# Altium PCB NFC-Reader.PcbDoc (part 1 of 3)
Units mil, origin at the board's own origin, x right, y up, seen from the top; angles counter-clockwise.
Board outline 3750 x 2300 mil, 4 copper layers (L1, L2 (GND), L3(PWR), L4), stack 61.583 mil thick; 132 components, 82 nets, 420 pads, 665 vias.
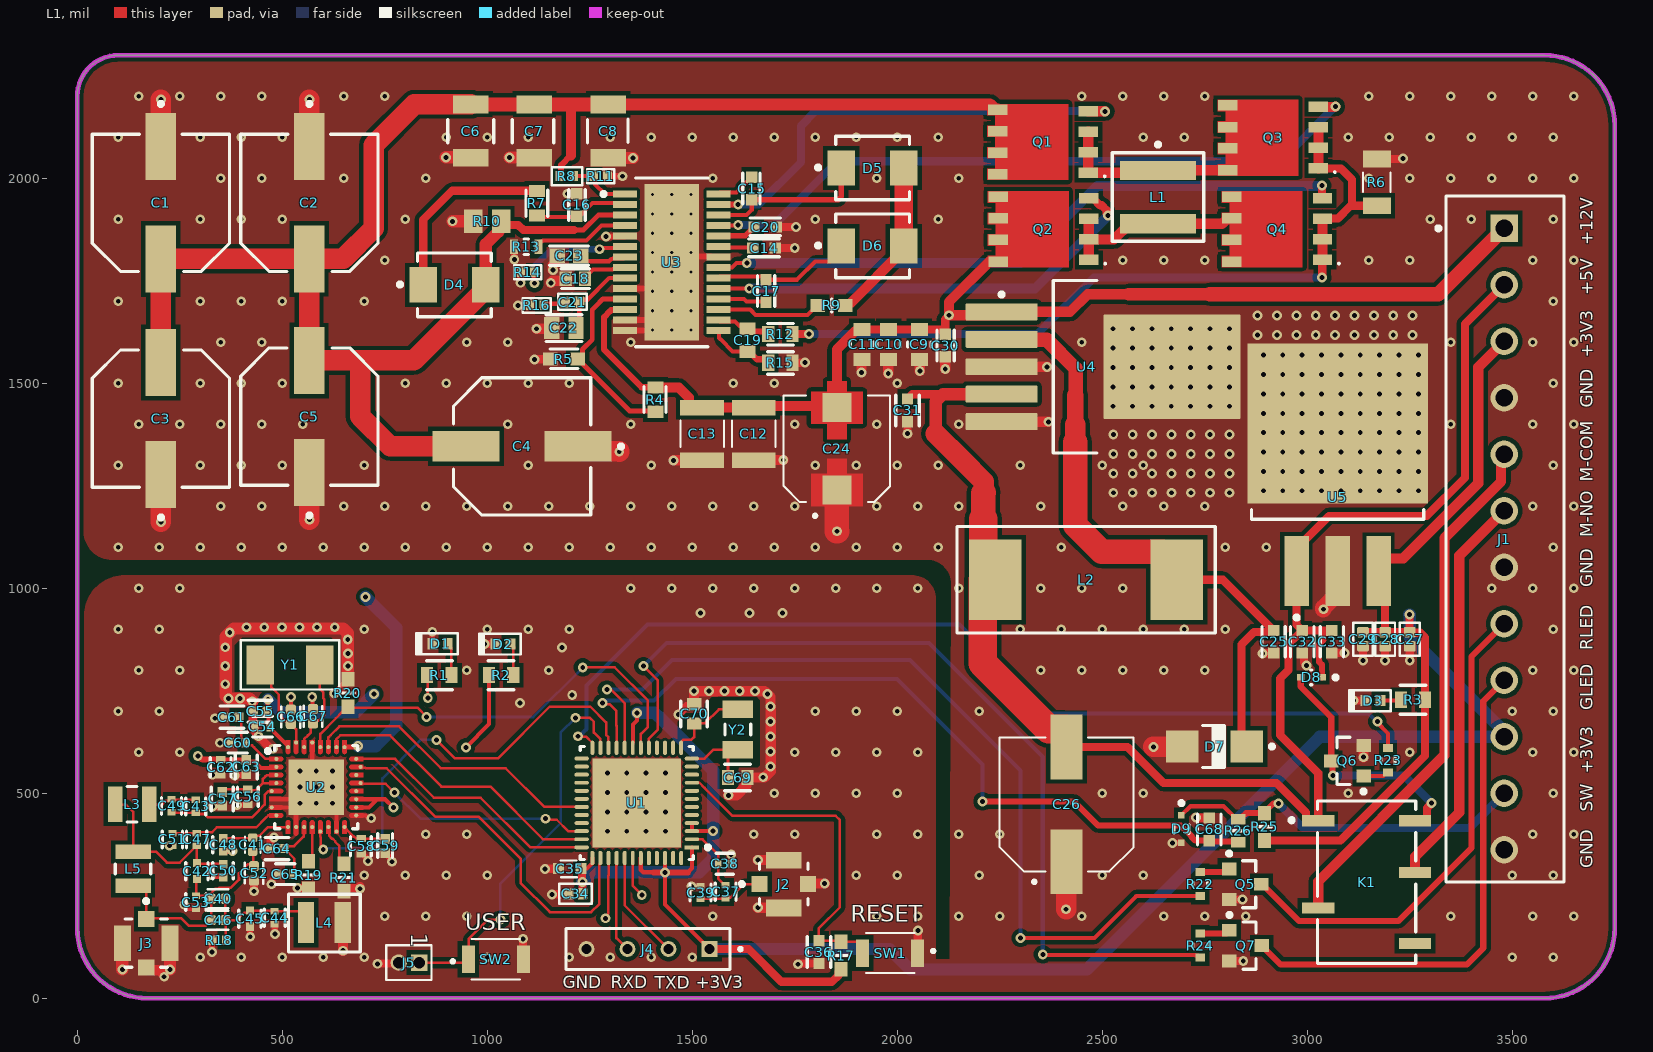
[diagram p0: L1 view]
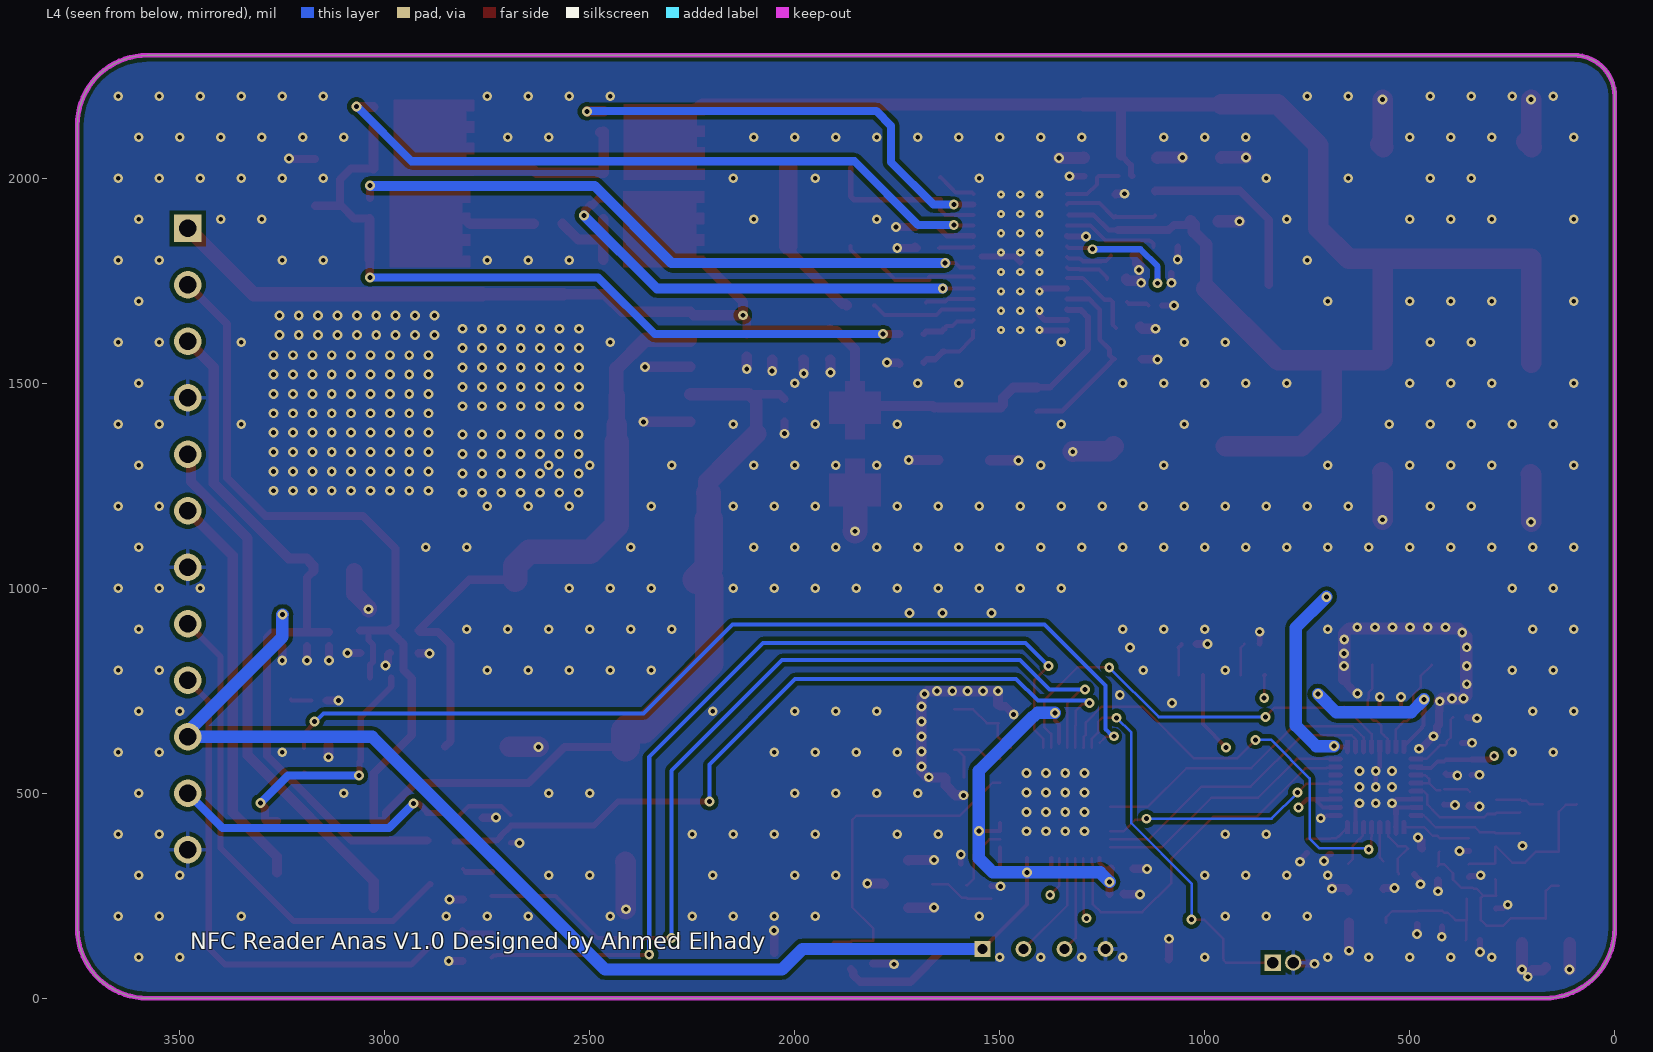
[diagram p1: L4 view, seen from below]
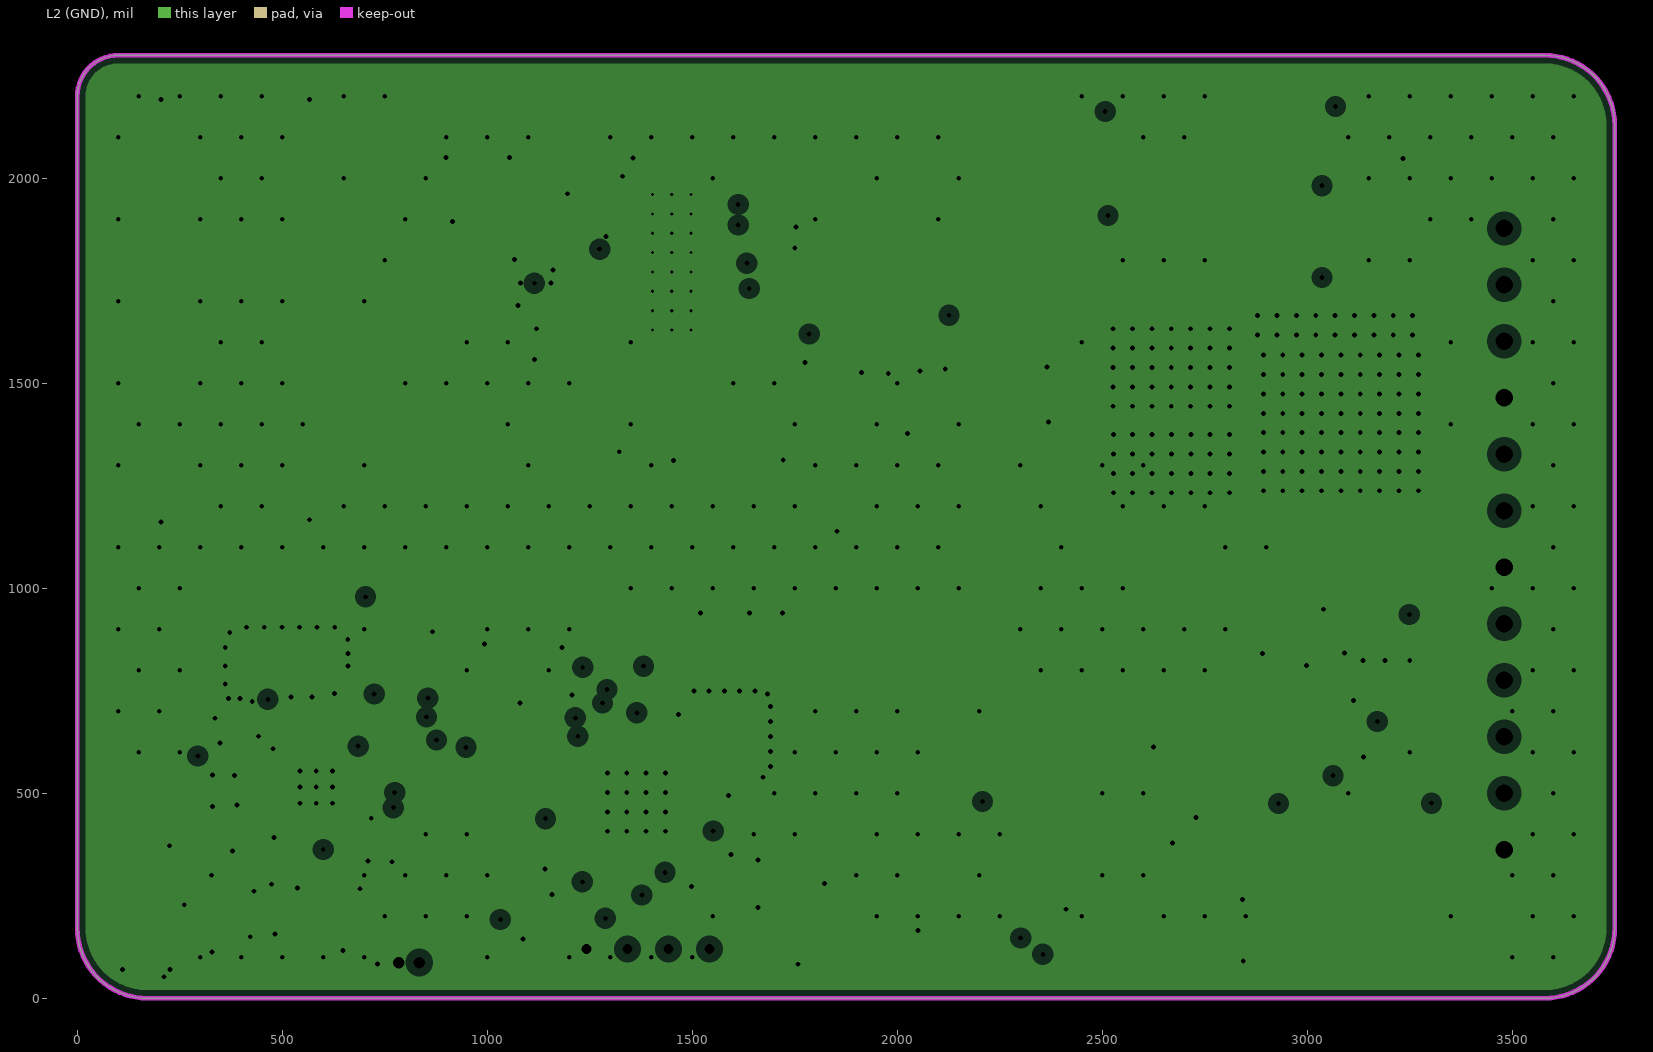
[diagram p2: L2 (GND), clearances drawn from the general rule]
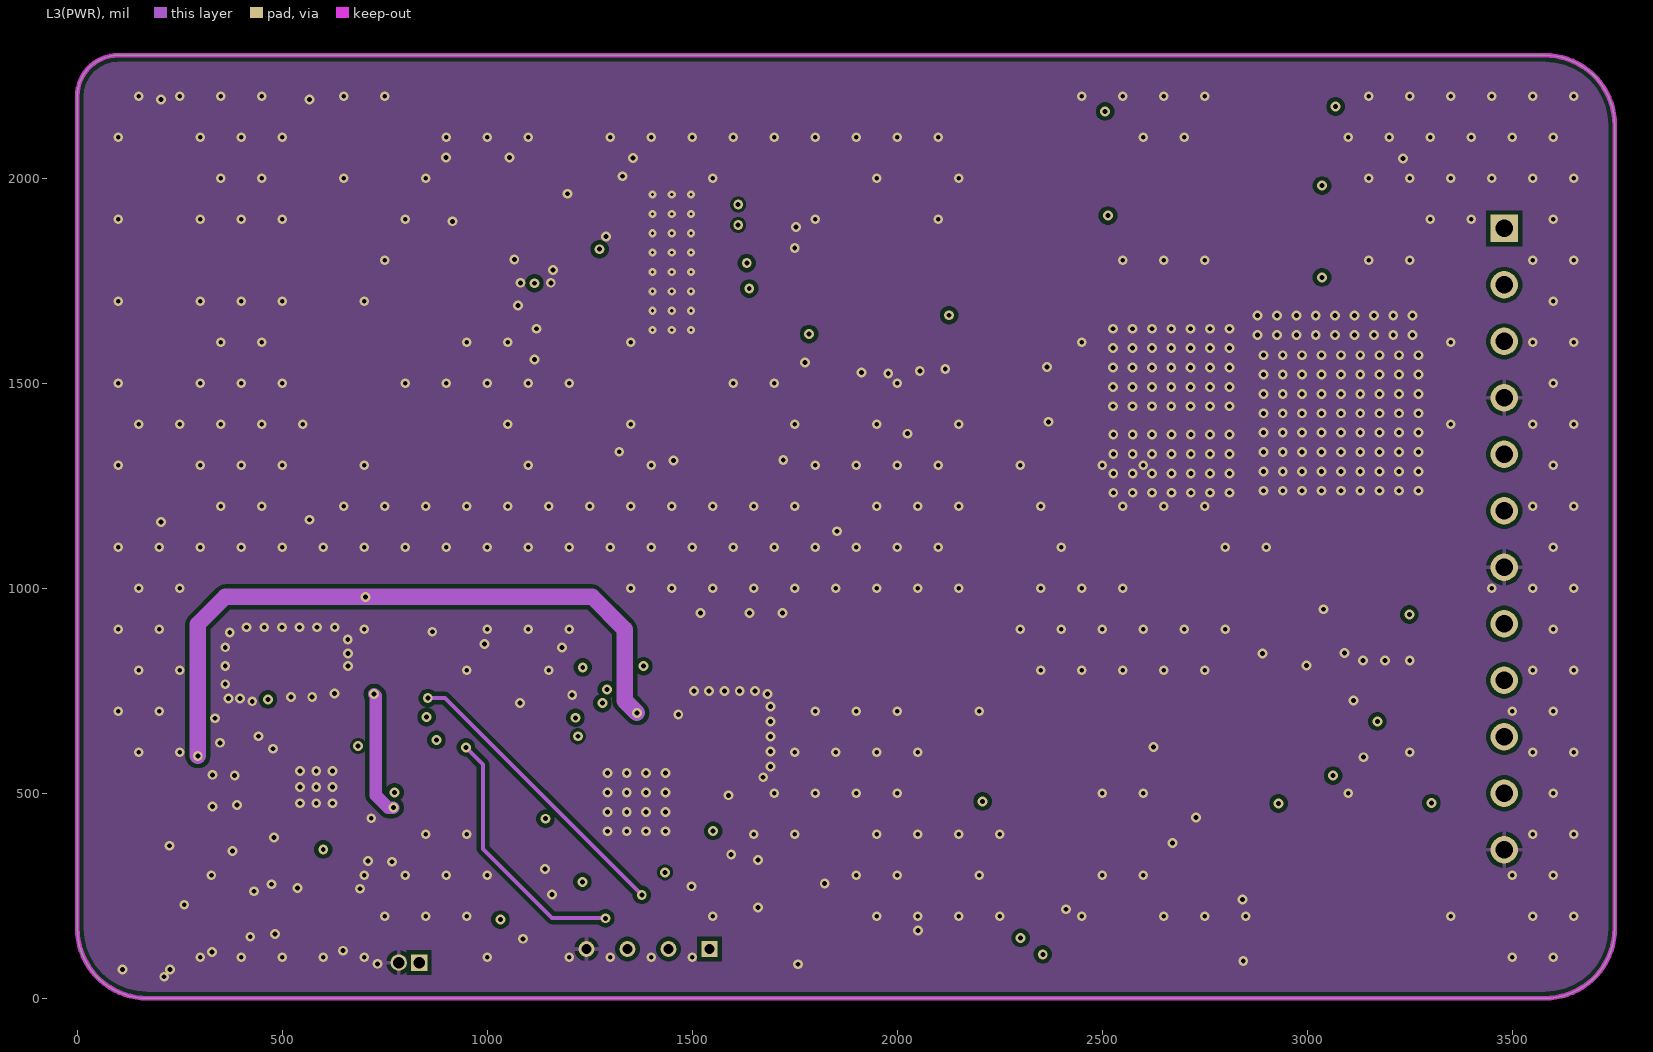
[diagram p3: L3(PWR)]
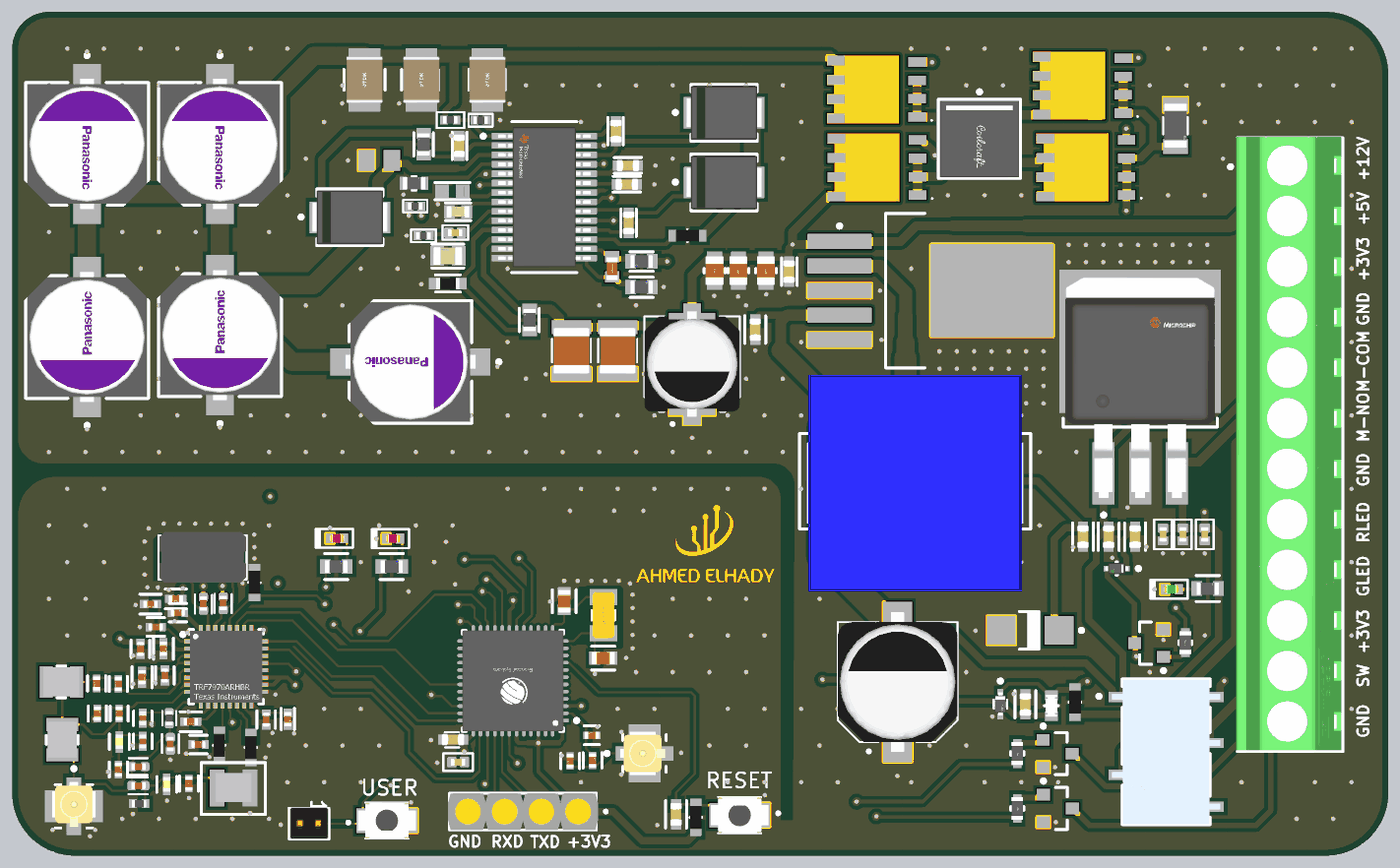
[diagram p6: 3D render of the assembled board from above, using the file's embedded part models]

## Layer stack, top to bottom
Top Solder: solder mask 1, SM-001, Dk 4
L1: signal copper 1.378
Dielectric 1: prepreg 3.9134, PP-017, Dk 4.4
L2 (GND): plane copper 0.5984, net GND
Dielectric 3: core 49.8031, Core-039, Dk 4.6
L3(PWR): signal copper 0.5984
Dielectric 5: prepreg 3.9134, PP-017, Dk 4.4
L4: signal copper 1.378
Bottom Solder: solder mask 1, SM-001, Dk 4

## Board outline
0,170.71 0,2200 cw(c100,2200) 100,2300 3579.29,2300 cw(c3579.29,2129.29) 3750,2129.29 3750,170.71 cw(c3579.29,170.71) 3579.29,0 170.71,0 cw(c170.71,170.71)

## Design rules (kind name [scope] priority, off if disabled: settings)
Clearance Smaller [WithinRoom('NFC')OR WithinRoom('BUCK-BOOST')or WithinRoom('ESP32')] p1: gap=7 ignorepadtopadclearanceinfootprint=TRUE
Clearance [All] p2: gap=10 ignorepadtopadclearanceinfootprint=TRUE
ComponentClearance [All] p1: gap=0 collisioncheckmode=3 verticalgap=0 showdistances=FALSE
MinimumSolderMaskSliver [All] p1: minsoldermaskwidth=5
PlaneClearance [All] p1: clearance=20
PlaneConnect [All] p1: planeconnectstyle=Direct reliefexpansion=20 reliefentries=4 reliefconductorwidth=10 reliefairgap=10
PolygonConnect Thermal_PAD_Direct [IsNamedPolygon('NONET_L02_P-001')] p1: connectstyle=Direct reliefconductorwidth=10 reliefentries=4 polygonreliefangle="90 Angle" airgapwidth=10
PolygonConnect [All] p2: thpad.connectstyle=Relief thpad.reliefconductorwidth=10 thpad.reliefentries=4 thpad.polygonreliefangle="90 Angle" thpad.airgapwidth=10 smdpad.connectstyle=Relief smdpad.reliefconductorwidth=10 smdpad.reliefentries=4 smdpad.polygonreliefangle="90 Angle" smdpad.airgapwidth=10 via.connectstyle=Direct via.reliefconductorwidth=10 via.reliefentries=4 via.polygonreliefangle="90 Angle" via.airgapwidth=10
RoomDefinition NFC [False] p1: confinementstyle=ConfineIn formatcopy=TRUE lockcomponents=FALSE outline 714,390 444.31,390 444.31,642 714,642
RoomDefinition ESP32 [False vs False] p2: confinementstyle=ConfineIn formatcopy=TRUE lockcomponents=FALSE outline 1530,665 1195,665 1195,293 1530,293
RoomDefinition BUCK-BOOST [False vs False] p3: confinementstyle=ConfineIn formatcopy=TRUE lockcomponents=FALSE outline 1620.55,1987.38 1299.24,1987.38 1299.24,1606.38 1620.55,1606.38
RoutingVias [All] p1: holewidth=12 width=24 viastyle="Through Hole" minholewidth=7.87 minwidth=19.68 maxholewidth=12 maxwidth=24
SilkToSilkClearance [All] p1: silktosilkclearance=5
SilkToSolderMaskClearance [IsPad] p1: minsilkscreentomaskgap=0 clearancetoexposedcopper=TRUE
SolderMaskExpansion [All] p1: expansion=4 istentingtop=FALSE
SupplyNets "Schematic Supply Nets_5" [InNet('VCC')] p1: voltage=0.000
SupplyNets "Schematic Supply Nets_4" [InNet('+5')] p2: voltage=0.000
SupplyNets "Schematic Supply Nets_3" [InNet('VDD')] p3: voltage=0.000
SupplyNets "Schematic Supply Nets_2" [InNet('+12')] p4: voltage=0.000
SupplyNets "Schematic Supply Nets_1" [InNet('VIN')] p5: voltage=0.000
SupplyNets "Schematic Supply Nets" [InNet('GND')] p6: voltage=0.000
UnRoutedNet [All] p1: checkbadconnections=TRUE
Width [All] p1: maxlimit=100 minlimit=6.16 preferedwidth=13.7
23 further rules are at their usual default settings.

## Classes and differential pairs
component class "Relay-Switch Schematic": C68 D8 D9 J1 K1 Q5 Q6 Q7 R22 R23 R24 R25 R26
component class "Power Supply Schematic": C1 C2 C3 C4 C5 C6 C7 C8 C9 C10 C11 C12 C13 C14 C15 C16 C17 C18 C19 C20 C21 C22 C23 C24 C25 C26 C27 C28 C29 C30 C31 C32 C33 D3 D4 D5 D6 D7 L1 L2 Q1 Q2 Q3 Q4 R3 R4 R5 R6 R7 R8 R9 R10 R11 R12 R13 R14 R15 R16 U3 U5
component class "NFC Schematic": C40 C41 C42 C43 C44 C45 C46 C47 C48 C49 C50 C51 C52 C53 C54 C55 C56 C57 C58 C59 C60 C61 C62 C63 C64 C65 C66 C67 J3 L3 L4 L5 R18 R19 R20 R21 U2 Y1
component class "Main ESP32 Schematic": C34 C35 C36 C37 C38 C39 C69 C70 D1 D2 J2 J4 J5 R1 R2 R17 SW1 SW2 U1 Y2

## Components (designator, comment, footprint, x,y, rotation, side; value= is the part's Value field where it differs from the comment)
C1 "15uF,100V" FP-SMT-CAP-15U-100V-ELECTROLTIC 203.96,1940.09 r270 top value=15µF
C2 "15uF,100V" FP-SMT-CAP-15U-100V-ELECTROLTIC 566.17,1940.09 r270 top value=15µF
C3 "15uF,100V" FP-SMT-CAP-15U-100V-ELECTROLTIC 203.96,1413.81 r90 top value=15µF
C4 "15uF,100V" FP-SMT-CAP-15U-100V-ELECTROLTIC 1085,1346 r180 top value=15µF
C5 "15uF,100V" FP-SMT-CAP-15U-100V-ELECTROLTIC 566.17,1418.81 r90 top value=15µF
C6 "10uF,100V" CAP-1210-10U-100V 960,2115 r90 top value=10µF
C7 "10uF,100V" CAP-1210-10U-100V 1115,2115 r90 top value=10µF
C8 "10uF,100V" CAP-1210-10U-100V 1295,2115 r90 top value=10µF
C9 "22u,35V" TDK_0805-22uF-35V 2054,1594.58 r90 top value=22µF
C10 "22u,35V" TDK_0805-22uF-35V 1979.05,1594.58 r90 top value=22µF
C11 "22u,35V" TDK_0805-22uF-35V 1914.08,1594.58 r90 top value=22µF
C12 "47u,16V" cap1210-47u-16v 1649.98,1376.6 r90 top value=47µF
C13 "47u,16V" cap1210-47u-16v 1523.99,1376.6 r90 top value=47µF
C14 "1u,16V" "0603 (1608 Metric)-CAP-100NF-50V" 1675,1829.81 r180 top value=1µF
C15 "100nF 50V" "0603 (1608 Metric)-CAP-100NF-50V" 1645,1975 r270 top value=100nF
C16 "100nF 50V" "0603 (1608 Metric)-CAP-100NF-50V" 1218,1935 r270 top value=100nF
C17 "100nF 50V" "0603 (1608 Metric)-CAP-100NF-50V" 1680,1725 r90 top value=100nF
C18 "15nF" 0603-Cap-15nf-25v 1215,1755 r0 top locked
C19 "47pF,50V" CAP-0603-47PF-50V 1635,1605 r270 top value=47pF
C20 "100nF 50V" "0603 (1608 Metric)-CAP-100NF-50V" 1678,1881 r180 top value=100nF
C21 "10nF,50V" CAPC1005X90N 1207,1698 r0 top value=10nF
C22 "180pF,50V" C0805C-180pF-50V 1187,1634.87 r0 top value=180pF
C23 "120pF,50V" FP-0603-120PF-50V 1199.62,1810.94 r0 top value=120pF
C24 "100u,16V" CAP_EEEFP1C101AV 1852.75,1340 r90 top value=100µF
C25 "100nF 50V" "0603 (1608 Metric)-CAP-100NF-50V" 2918,869.4 r90 top value=100nF
C26 "1000uF,6.3V" CAP_1000uF-SMT 2413,473 r90 top value=1mF
C27 "4.7uF,16V" CAPC1005X90N 3250,875.61 r90 top value=4.7µF
C28 "4.7uF,16V" CAPC1005X90N 3190,875.61 r90 top value=4.7µF
C29 "4.7uF,16V" CAPC1005X90N 3135.99,875.61 r90 top value=4.7µF
C30 "100nF 50V" "0603 (1608 Metric)-CAP-100NF-50V" 2117,1592 r90 top value=100nF
C31 "100nF 50V" "0603 (1608 Metric)-CAP-100NF-50V" 2025,1434 r90 top value=100nF
C32 "1u,16V" "0603 (1608 Metric)-CAP-100NF-50V" 2988,869.4 r270 top value=1µF
C33 "100nF,50V" "0603 (1608 Metric)-CAP-100NF-50V" 3060,869.4 r90 top value=100nF
C34 "10uF, 10V" CAPC1005X90N 1215.04,254.84 r0 top value=10µF
C35 "100nF 50V" "0603 (1608 Metric)-CAP-100NF-50V" 1201.33,316.33 r0 top value=100nF
C36 "1u,16V" "0603 (1608 Metric)-CAP-100NF-50V" 1809,112.44 r270 top value=1µF
C37 "270pF,50V" 0402_470pF_50VMurata_GCM155-0_05_MFG 1581.44,259.61 r90 top value=270pF
C38 "270pF,50V" 0402_470pF_50VMurata_GCM155-0_05_MFG 1579.47,327.86 r180 top value=270pF
C39 "270pF,50V" 0402_470pF_50VMurata_GCM155-0_05_MFG 1520.38,257.86 r270 top value=270pF
C40 "27pF,50V" C0402-27pf-50V#1 343.88,242.47 r180 top value=27pF
C41 "220pF,50V" 220pf-50v-0402-yageo-CAPC1005X55N 427.89,374.47 r90 top value=220pF
C42 "10pF,50V" YAGEO_10pf-50v-CC0402JRNPO9BN100_0 291.78,310.16 r90 top value=10pF
C43 "1500p,50V" C0402-1500pF-Murata_GRM15_MFG 289,468 r270 top value=1.5nF
C44 "68p,50V" TDK_C1005-68pf-50v 481.51,196.47 r90 top value=68pF
C45 "10p,50V" YAGEO_10pf-50v-CC0402JRNPO9BN100_0 421.02,194.16 r270 top value=10pF
C46 "27pF,50V" C0402-27pf-50V#1 343.88,190.56 r180 top value=27pF
C47 "1200pF, 50V" 1200F-50V-0402-Murata_GRM15_MFG 291.37,387.22 r270 top value=1.2nF
C48 "680pF,50V" Kemet_C0402-680PF-50 355.72,374.47 r90 top value=680pF
C49 "1500p,50V" C0402-1500pF-Murata_GRM15_MFG 229.9,469.22 r270 top value=1.5nF
C50 "680pF,50V" Kemet_C0402-680PF-50 355.72,311.22 r90 top value=680pF
C51 "1200pF, 50V" 1200F-50V-0402-Murata_GRM15_MFG 232.09,387.22 r90 top value=1.2nF
C52 "27pF,50V" C0402-27pf-50V#1 431.14,304.47 r90 top value=27pF
C53 "100pF,50V" 100pf-50v-0402-Murata_GRM15_MFG 289.37,234.47 r90 top value=100pF
C54 "2u2,10V" C0402-2.2u-10V-Murata_GRM155-0_2_MFG 451.71,662 r0 top value=2.2µF
C55 "100n,10V" C0402-100nF-10V 445.71,700 r0 top value=100nF
C56 "2u2,10V" C0402-2.2u-10V-Murata_GRM155-0_2_MFG 416.19,491.17 r90 top value=2.2µF
C57 "100n,10V" C0402-100nF-10V 353.7,486.47 r90 top value=100nF
C58 "2u2,10V" C0402-2.2u-10V-Murata_GRM155-0_2_MFG 692.29,370.93 r90 top value=2.2µF
C59 "100n,10V" C0402-100nF-10V 751.09,371.47 r90 top value=100nF
C60 "2u2,10V" C0402-2.2u-10V-Murata_GRM155-0_2_MFG 391.22,622.98 r0 top value=2.2µF
C61 "100n,10V" C0402-100nF-10V 377.05,685.47 r0 top value=100nF
C62 "2u2,10V" C0402-2.2u-10V-Murata_GRM155-0_2_MFG 349.72,563.47 r90 top value=2.2µF
C63 "100n,10V" C0402-100nF-10V 412.17,564.27 r90 top value=100nF
C64 "100n,10V" C0402-100nF-10V 486.93,364.96 r0 top value=100nF
C65 "2u2,10V" C0402-2.2u-10V-Murata_GRM155-0_2_MFG 507.53,302.47 r0 top value=2.2µF
C66 "27pF,50V" C0402-27pf-50V#2 521,686.53 r270 top value=27pF
C67 "27pF,50V" C0402-27pf-50V#2 575,688 r270 top value=27pF
C68 "100nF 50V" "0603 (1608 Metric)-CAP-100NF-50V" 2761,412 r270 top value=100nF
C69 "22pF,50V" 22Pf_50V_Kemet_C0603C220J5GACTU_0 1610.83,538.39 r180 top value=22pF
C70 "22pF,50V" 22Pf_50V_Kemet_C0603C220J5GACTU_0 1504.33,693.39 r270 top value=22pF
D1 "BLUE" LED0402B 885,865 r0 top
D2 "RED" LED0402R 1038,864 r0 top